# Altium PCB betrusted_dvt1b-dfm.PcbDoc (part 5 of 6) (continued)
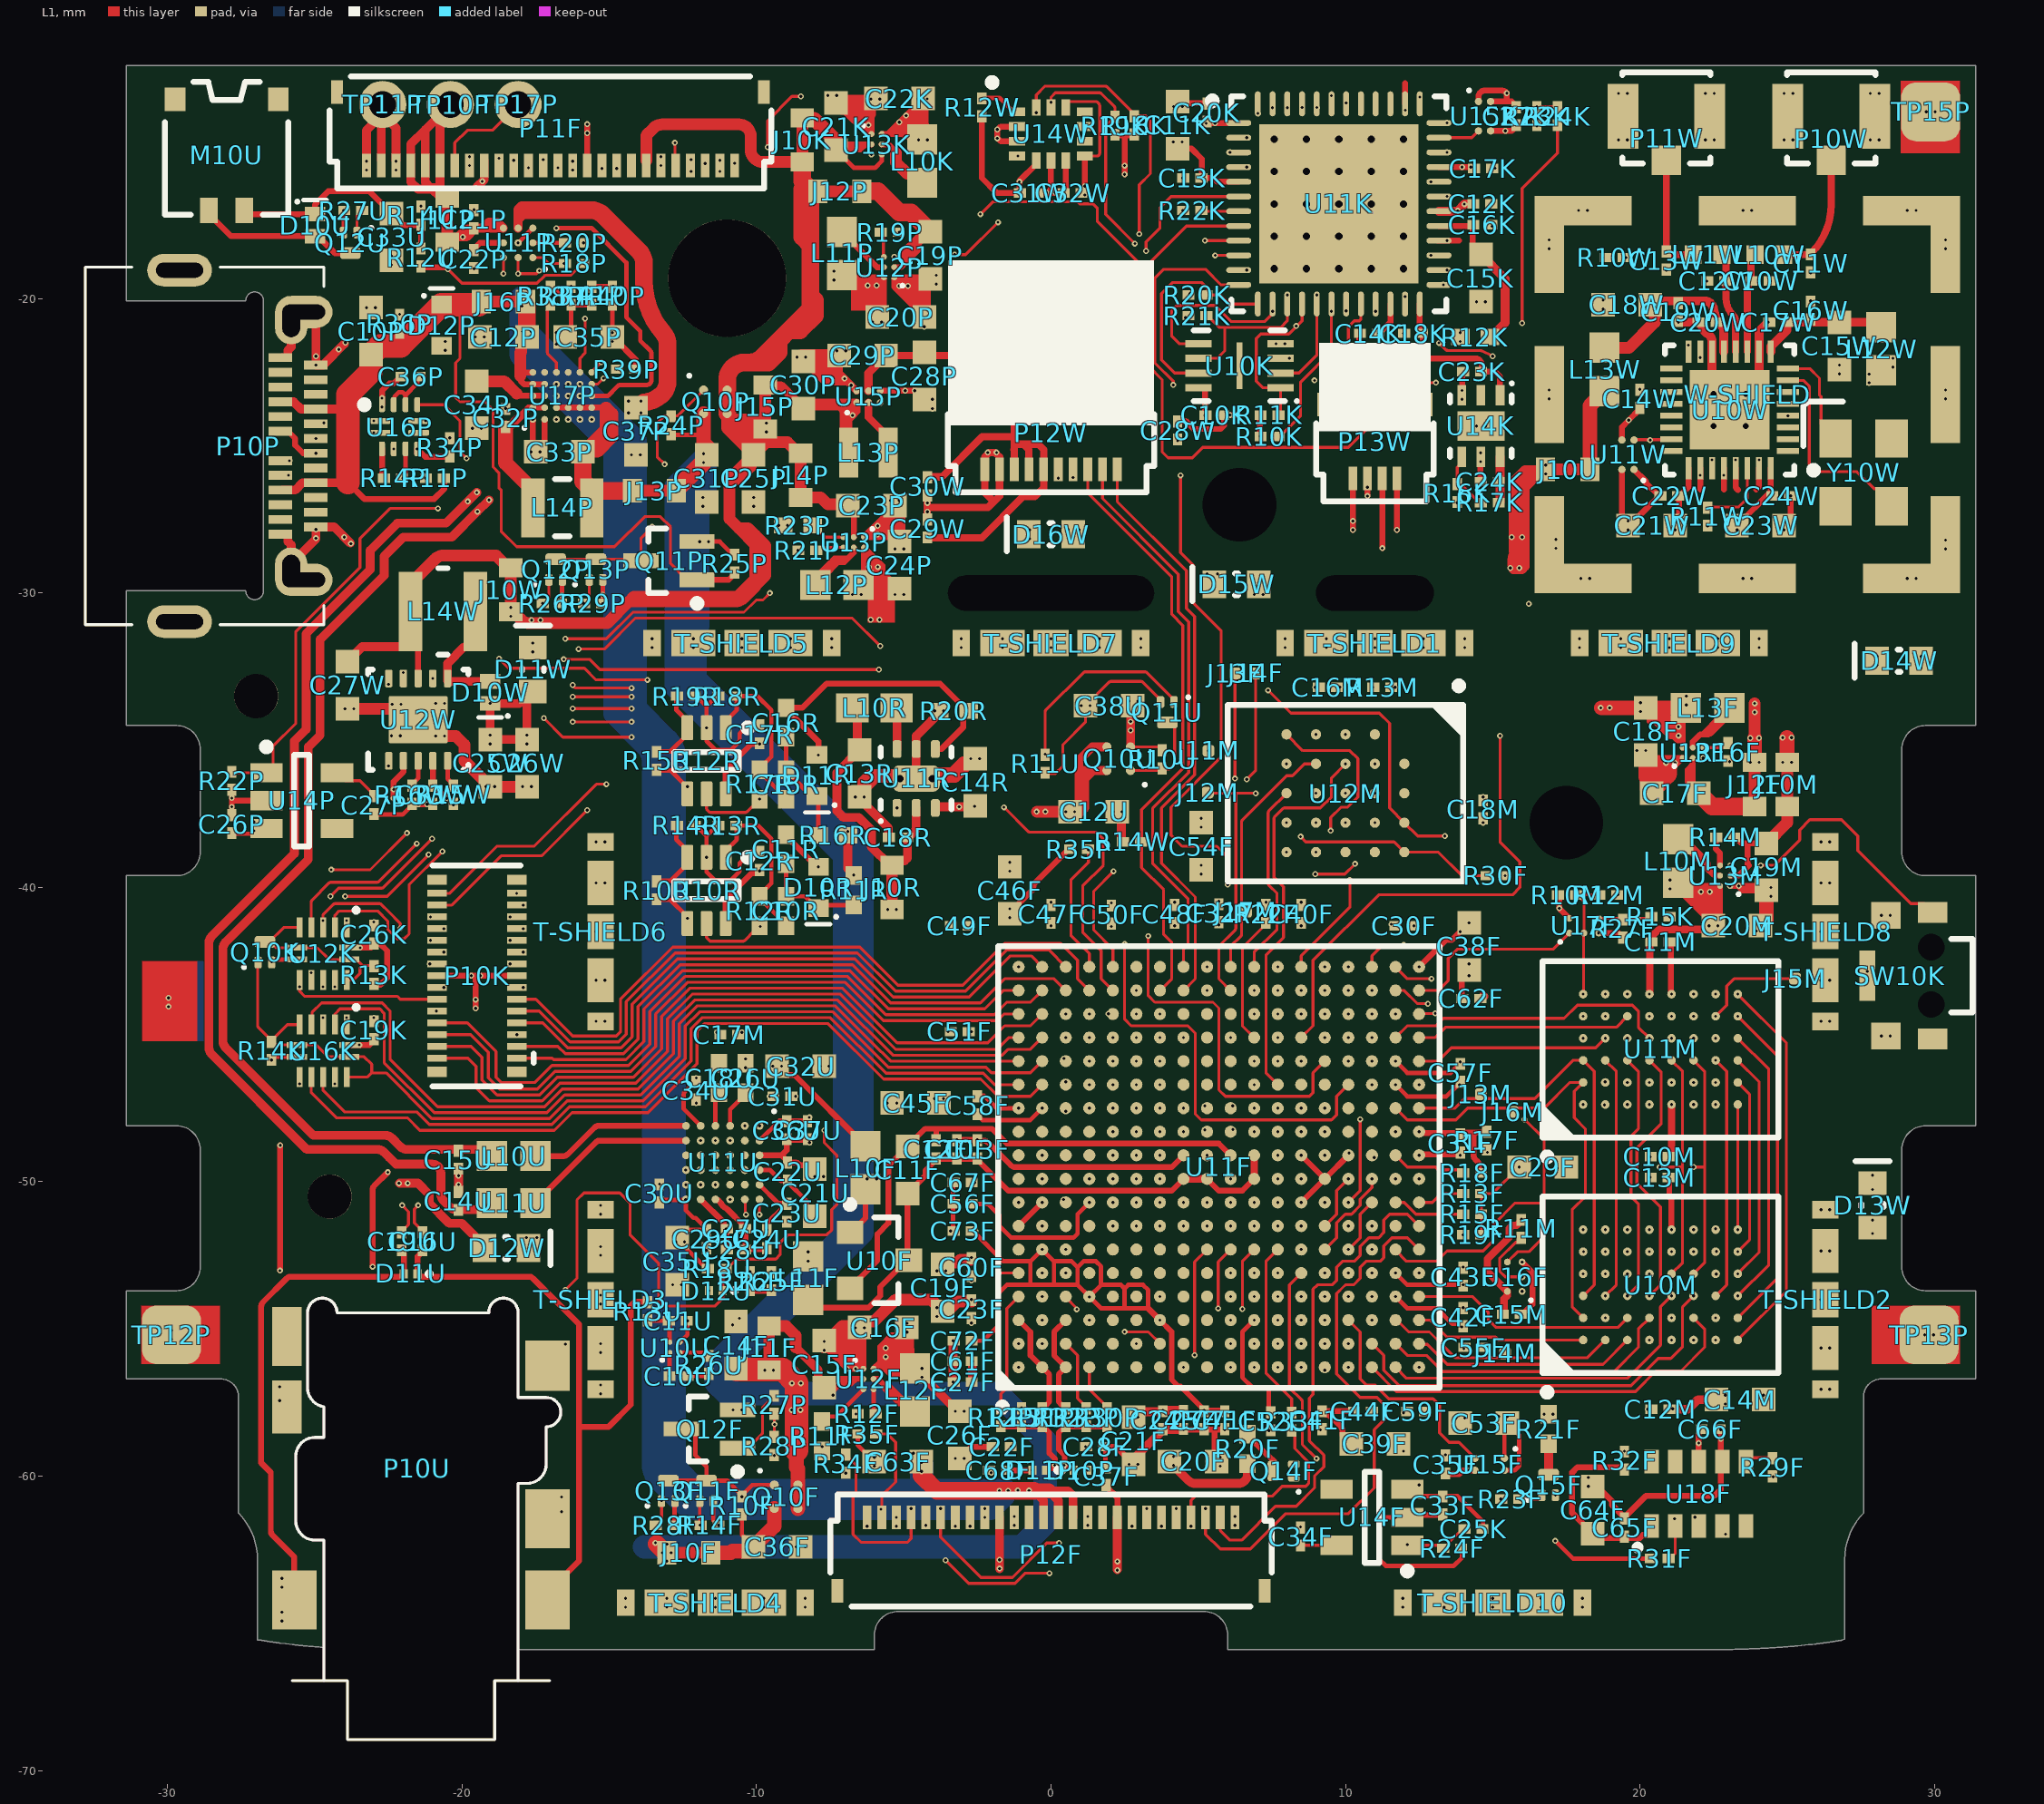
[diagram p0: L1 view]
## Nets (pads, with @x,y where several pads share a name; then routed paths per layer and width w, separated by ;. In a path a pad name is that pad's centre, name@x,y a point inside that pad or via, vN(x,y) a via of type N, cw(c..) or ccw(c..) an arc to the next point about the centre after c; other vN are vias at no path point) (continued)
  L2 w0.1: v1(10.1,-55.5) 10.596,-55.996 ccw(c10.666,-55.925) 10.666,-56.025 12.759,-56.025 cw(c12.759,-56.125) 12.829,-56.054 13.35,-56.575 15.006,-56.575 16.606,-54.975 18.475,-54.975 v1(18.825,-54.625)
SRAM_DM2: U11F.T5 U11M.A1 | length 10.1
  L2 w0.1: v2(18.075,-47.875) v1(18.075,-47.375)
  L7 w0.1: v2(10.9,-53.1) 11.217,-53.1 11.3,-53.017 11.3,-52.934 11.534,-52.7 12.791,-52.7 15.066,-50.425 15.875,-50.425 18.075,-48.225 v2(18.075,-47.875)
  other v1: 10.9,-53.1
SRAM_DM3: U11F.T13 U11M.B2 | length 8.6
  L2 w0.1: v2(18.471,-46.271) 18.807,-46.607 v1(18.821,-46.607)
  L7 w0.1: v2(10.9,-46.7) 11.3,-47.1 14.9,-47.1 15.729,-46.271 v2(18.471,-46.271)
  other v1: 10.9,-46.7
SRAM_OE_N: J16M.1 U10M.A2 U11F.U12 U11M.A2 | length 15.7
  L1 w0.1: U11F.U12@11.7,-47.5 12.1,-47.9 13.75,-47.9 14.15,-47.5 16.75,-47.5 17.625,-46.625 U11M.A2@18.075,-46.625 17.775,-46.925 17.775,-47.825 18.15,-48.2 18.15,-50.5 17.7,-50.95 17.7,-54.25 U10M.A2@18.075,-54.625
SRAM_WE_N: J15M.1 U10M.G5 U11F.K4 U11M.G5 | length 42.5
  L1 w0.1: v1(22.575,-44.375) 22.95,-44 22.95,-43.35 23.2,-43.1 J15M.1@25.275,-43.1
  L2 w0.1: v1@22.575,-52.375 22.85,-52.375 23.15,-52.075 ; v1(22.575,-44.375) 23.725,-45.525 23.725,-47.55 23.425,-47.85 23.425,-50.125 24.225,-50.925 24.225,-51.791 23.941,-52.075 23.15,-52.075 ; v1(22.603,-52.363) 22.862,-52.363 23.15,-52.075
  L7 w0.1: v1(6.1,-53.9) 5.5,-54.5 5.5,-57.4 5.9,-57.8 7.167,-57.8 7.267,-57.9 9.683,-57.9 10.083,-57.5 15.9,-57.5 16.295,-57.105 cw(c16.366,-57.176) 16.366,-57.076 21.721,-57.076 ccw(c21.721,-56.976) 21.792,-57.047 23.25,-55.588 23.25,-50.925 v2(23.75,-50.425)
  other v2: 6.1,-53.9
SRAM_ZZ_N: U11F.V17 U17F.A1 | length 6.3
  L1 w0.1: U11F.V17@12.5,-43.5 13.15,-43.5 13.487,-43.163 13.487,-42.413 13.8,-42.1 17.05,-42.1 U17F.A1@17.6,-41.55
SRAM_ZZ_N_1.8: R10M.2 R12M.1 U10M.A6 U11M.A6 U17F.B1 | length 12.8
  L1 w0.1: R10M.2@17.85,-40.25 R10M.2@17.875,-40.25 ; v1(18.075,-43.625) 18.088,-43.612 18.088,-41.562 U17F.B1@18.1,-41.55 18.1,-40.475 R10M.2@17.875,-40.25 ; R12M.1@18.6,-40.25 R10M.2@17.875,-40.25
  L2 w0.1: v1(18.075,-51.625) 17.675,-51.225 17.675,-45.15 18.136,-44.689 18.157,-44.689 18.375,-44.471 18.375,-43.925 v1(18.075,-43.625)
SW_0.95V: L12F.1 U12F.B2 | length 3.3
  L1 w0.2: U12F.B2@-6.025,-56.7 -5.875,-56.7 -5.65,-56.925 ; -5.65,-56.925 -5.65,-57.025 -5.15,-57.525 -4.91,-57.525 L12F.1@-4.625,-57.81 -4.625,-57.805 -5.505,-56.925 -5.65,-56.925
SW_1.2V: L10K.1 U13K.B2 | length 2.1
  L1 w0.2: U13K.B2@-5.75,-14.75 -5.608,-14.75 cw(c-5.608,-14.95) -5.466,-14.809 -5.251,-15.024
  L1 w0.4: -5.267,-15.04 -5.267,-15.368 -4.891,-15.745 -4.685,-15.745 -4.375,-16.055 L10K.1@-4.375,-16.06
SW_1.8V: L11P.1 U12P.B2 | length 1.9
  L1 w0.2: L11P.1@-7.1,-17.725 -7.1,-17.73 -5.905,-18.925 U12P.B2@-5.675,-18.925
SW_1.8V_F: L13F.1 U13F.B2 | length 3.1
  L1 w0.2: U13F.B2@21.8,-35.25 21.8,-35.05 22.05,-34.8 22.13,-34.8 ; L13F.1@22.914,-34.016 22.722,-34.207 22.13,-34.8 ; L13F.1@23.035,-33.9 22.975,-33.96 ccw(c23.116,-34.102) 22.916,-34.102 22.916,-34.171 cw(c22.716,-34.171) 22.857,-34.313 22.429,-34.741 cw(c22.287,-34.6) 22.287,-34.8 22.13,-34.8
SW_1.8V_SBY: L10M.1 U13M.B2 | length 3.5
  L1 w0.2: U13M.B2@22.725,-39.6 22.613,-39.6 cw(c22.613,-39.4) 22.471,-39.541 22.297,-39.367 ; 22.297,-39.367 22.297,-39.213 ccw(c22.097,-39.213) 22.239,-39.072 21.736,-38.568 ccw(c21.594,-38.709) 21.594,-38.509 21.527,-38.509 cw(c21.527,-38.309) 21.386,-38.451 L10M.1@21.3,-38.365 21.3,-38.37 21.442,-38.512 21.607,-38.677 22.154,-39.224 22.297,-39.367
SW_3.3V: L12P.1 U13P.B2 | length 3.8
  L1 w0.2: L12P.1@-7.7,-29.415 -7.7,-29.175 ; U13P.B2@-6.7,-28.45 -6.7,-28.625 -6.9,-28.825 ; -7.7,-29.175 -7.834,-29.309 ccw(c-7.693,-29.451) -7.893,-29.451 -7.893,-29.608 L12P.1@-8.01,-29.725 -8.005,-29.725 -7.89,-29.61 -7.698,-29.418 -7.23,-28.95 -7.025,-28.95 -6.9,-28.825 ; -7.7,-29.175 -7.35,-28.825 -6.9,-28.825
SYS_OFF: Q10P.1 Q11P.3 Q12P.3 Q13P.3 R24P.1 | length 10.1
  L1 w0.1: Q12P.3@-16.825,-28.85 Q13P.3@-15.455,-28.85 -13.975,-28.85 Q11P.3@-13.925,-28.9 -13.925,-28.125 v1(-13.544,-27.744) ; v1(-13.125,-25.625) -13.375,-25.375 -13.375,-24.225 -13.125,-23.975 -12.9,-23.975 -12.675,-23.975 Q10P.1@-11.8,-23.1
  L2 w0.1: v1(-13.544,-27.744) -13.544,-26.044 v1(-13.125,-25.625)
SYS_ON: Q12P.1 R26P.2 U11K.47 | length 38.1
  L1 w0.1: R26P.2@-17.28,-30.35 -17.255,-30.35 -17.055,-30.15 Q12P.1@-17.055,-29.55 ; v1(-16.5,-31.55) -15.1,-31.55 -14.2,-30.65 -10.43,-30.65 -10.013,-30.233 -9.783,-30.233 v1(-9.55,-30)
  L2 w0.1: v1(-17.275,-30.35) -16.53,-31.095 cw(c-16.6,-31.166) -16.5,-31.166 ; v1(-16.5,-31.55) -16.5,-31.166 ; v1(-9.55,-30) -8.638,-29.088 -8.296,-29.088 -7.325,-28.117 -7.325,-25.667 -5.45,-23.792 -5.45,-20.725 -4.575,-19.85 -4.575,-18.325 -1.85,-15.6 1.55,-15.6 2.55,-14.6 2.941,-14.6 3.466,-14.075 4.75,-14.075 5.375,-13.45 7.225,-13.45 7.287,-13.512 v1(7.522,-13.512)
T_OFF: Q10F.1 Q11F.3 Q12F.3 Q13F.3 R10F.1 R29F.2 | length 50.1
  L1 w0.1: v1(-3.579,-62.861) -2.799,-63.641 -1.226,-63.641 -0.885,-63.3 v1(-0.05,-63.3)
  L1 w0.15: Q13F.3@-13,-60.15 Q11F.3@-11.7,-60.15 ; Q12F.3@-12.55,-58.4 -12.25,-58.4 -12.075,-58.575 -12.075,-59.3 -11.7,-59.675 Q11F.3@-11.7,-60.15 ; Q10F.1@-9.4,-60.3 -10.15,-60.3 -10.5,-60.65 -11,-60.15 Q11F.3@-11.7,-60.15
  L2 w0.1: v1(-10.5,-60.7) -8.425,-60.7 -6.875,-62.25 -4.15,-62.25 -3.6,-61.7 -3.6,-61.696 -3.354,-61.45 -2.646,-61.45 -2.5,-61.596 -2.5,-61.804 -3.557,-62.861 v1(-3.579,-62.861) ; v1(-0.05,-63.3) 0.8,-63.3 2.1,-62 2.1,-60.9 2.675,-60.325 7.625,-60.325 8.2,-60.9 9,-60.9 10.713,-62.613 ccw(c10.783,-62.542) 10.783,-62.642 23.017,-62.642 ccw(c23.017,-62.542) 23.087,-62.613 24.525,-61.175 v1(24.525,-60.025)
T_TO_U_ON: Q13P.1 R29P.1 U11F.E18 | length 29.9
  L1 w0.1: v1(-16.05,-31.9) -15.167,-31.9 -14.117,-30.85 -6.75,-30.85 v1(-5.8,-31.8) ; R29P.1@-15.88,-30.35 v1(-15.875,-30.35) -15.855,-30.35 -15.685,-30.18 Q13P.1@-15.685,-29.55 ; U11F.E18@2.1,-42.7 2.1,-42.1 1.45,-41.45 1.45,-40.125 v1(2.125,-39.45)
  L2 w0.1: v1(-16.05,-31.9) -15.875,-31.725 v1(-15.875,-30.35) ; v1(-5.8,-31.8) -4.325,-33.275 -3.175,-33.275 -0.375,-36.075 1.075,-36.075 1.65,-36.65 1.65,-37.825 2.125,-38.3 v1(2.125,-39.45)
U_TO_T_ON: Q13F.1 R28F.2 U11K.46 | length 87.9
  L1 w0.1: v1(-24.45,-39.4) -23.125,-39.4 v1(-21.875,-38.15) ; v1(-17.225,-34.25) -16.58,-34.895 v1(-14.249,-34.895) ; R28F.2@-13.45,-61.675 -13.425,-61.675 -13.23,-61.48 Q13F.1@-13.23,-60.85
  L2 w0.1: v1@-24.446,-39.404 -25.625,-40.583 -25.625,-42.1 -25.85,-42.325 -25.85,-47.2 -26.85,-48.2 -26.85,-49.15 -26.55,-49.45 -25.6,-49.45 -25.25,-49.1 -23.65,-49.1 -23.175,-49.575 -23.175,-50.925 -22.65,-51.45 -16.394,-51.45 cw(c-16.394,-51.55) -16.323,-51.48 -15.982,-51.821 ccw(c-15.912,-51.75) -15.912,-51.85 -15.025,-51.85 -12.9,-53.975 -12.9,-55.825 -13.375,-56.3 -13.375,-57.05 -12.65,-57.775 -12.65,-60.248 v1(-13.229,-60.827) ; v1(-21.875,-38.15) -21.325,-37.6 -18.2,-37.6 -17.225,-36.625 v1(-17.225,-34.25) ; v1(-14.249,-34.895) -13.555,-34.895 -13.35,-35.1 -11.175,-35.1 -10.35,-34.275 -8.717,-34.275 ccw(c-8.717,-34.175) -8.646,-34.245 -4.704,-30.304 ccw(c-4.775,-30.233) -4.675,-30.233 -4.675,-26.375 -2.275,-23.975 -2.275,-18.525 -1.9,-18.15 1.509,-18.15 3.259,-16.4 6.15,-16.4 7.35,-15.2 7.775,-15.2 8.027,-14.948 v1(8.027,-13.507)
UP5K_CSN: P12F.5 R11K.2 U10K.1 U11K.16 | length 84.7
  L1 w0.1: R11K.2@7.75,-23.95 7.795,-23.905 U10K.1@7.795,-23.025 7.2,-23.025 6.975,-22.8 6.975,-21.35 7.125,-21.2 8.075,-21.2 8.526,-20.749 U11K.16@8.526,-20.177
  L2 w0.1: v1(4.25,-61.1) 4.25,-61.65 5,-62.4 9.475,-62.4 10.15,-63.075 23.508,-63.075 25.325,-61.258 25.325,-58.35 25.425,-58.25 25.425,-37.184 26.1,-36.509 26.1,-29.85 25.1,-28.85 19.159,-28.85 18.554,-28.245 cw(c18.625,-28.174) 18.525,-28.174 18.525,-25.849 ccw(c18.425,-25.849) 18.496,-25.779 17.217,-24.5 16.542,-24.5 14.351,-22.309 ccw(c14.281,-22.38) 14.281,-22.28 12.08,-22.28 11.55,-21.75 11.55,-20.525 11.104,-20.079 9.404,-20.079 8.559,-20.925 v1(8.325,-20.925)
UP5K_DIO2: R10K.1 U10K.3 U11K.18 | length 7.9
  L1 w0.1: R10K.1@7.75,-24.675 7.775,-24.675 8.475,-23.975 8.475,-22.825 9.526,-21.774 U11K.18@9.526,-20.177
  L2 w0.1: v1(8.1,-22.025) 8.85,-22.025 9.525,-21.35 v1(9.525,-20.425)
UP5K_DIO3: R20K.1 U10K.7 U11K.13 | length 7.6
  L1 w0.1: U10K.7@5.005,-22.525 4.2,-22.525 3.75,-22.075 3.75,-19.825 4.125,-19.45 5.125,-19.45 5.3,-19.625 5.3,-19.875 5.716,-19.875 cw(c5.716,-19.975) 5.788,-19.905 6.031,-20.148 ccw(c6.102,-20.077) 6.102,-20.177 U11K.13@7.026,-20.177
UP5K_KEYCOL0: P12F.19 U11K.48 U12K.9 | length 97.4
  L1 w0.1: v1(-24.475,-40.3) -24.2,-40.025 -22.739,-40.025 ccw(c-22.739,-39.925) -22.668,-39.995 v1(-21.021,-38.349) ; v1(-16.25,-33.525) v1(-14.25,-33.525)
  L2 w0.1: v1(-24.475,-40.3) -25.125,-40.95 v1(-25.125,-42.9) -25.275,-43.05 -25.275,-47.144 -25.606,-47.475 -25.842,-47.475 -26.65,-48.283 -26.65,-49.067 -26.467,-49.25 -25.683,-49.25 -25.333,-48.9 -23.567,-48.9 -22.975,-49.492 -22.975,-50.842 -22.567,-51.25 -16.266,-51.25 -16.237,-51.28 -16.195,-51.28 -15.879,-51.596 ccw(c-15.809,-51.525) -15.809,-51.625 -14.525,-51.625 -13.3,-52.85 -12.733,-52.85 -12.273,-53.311 -12.273,-54.017 -11.898,-54.392 -11.898,-55.208 -12.393,-55.703 -12.393,-61.853 -11.945,-62.3 -10.941,-62.3 ccw(c-10.941,-62.2) -10.871,-62.271 -9.95,-61.35 -8.425,-61.35 -7.125,-62.65 -3.825,-62.65 -3.7,-62.525 -3.575,-62.525 v1(-2.75,-61.7) ; v1(-21.021,-38.349) -20.848,-38.175 -18.1,-38.175 -16.779,-36.854 ccw(c-16.85,-36.784) -16.75,-36.784 -16.75,-34.066 cw(c-16.65,-34.066) -16.721,-33.996 v1(-16.25,-33.525) ; v1(-14.25,-33.525) -10.525,-33.525 -9.311,-32.311 -9.311,-31.468 -6.65,-28.808 -6.65,-26.084 -5.041,-24.475 -3.716,-24.475 -2.979,-23.739 ccw(c-3.05,-23.668) -2.95,-23.668 -2.95,-18.141 cw(c-2.85,-18.141) -2.921,-18.071 -1.95,-17.1 1.4,-17.1 1.725,-16.775 1.725,-15.708 2.633,-14.8 3.024,-14.8 3.549,-14.275 4.775,-14.275 5,-14.5 5.575,-14.5 6.372,-13.703 v1(7.028,-13.703)
UP5K_KEYCOL1: P12F.20 U11K.3 U12K.10 | length 94.1
  L1 w0.1: v1(-23.975,-40.3) -22.547,-40.3 -21.142,-38.895 v1(-21.142,-38.888) ; v1(-16.25,-33.925) v1(-14.25,-33.925)
  L2 w0.1: v1(-23.975,-40.3) -24.427,-40.752 -24.427,-41.347 -24.427,-43.035 cw(c-24.527,-43.035) -24.456,-43.106 v1(-24.725,-43.375) -24.725,-43.925 -24.475,-44.175 -24.475,-44.837 -24.675,-45.037 -24.675,-46.9 -25.45,-47.675 -25.759,-47.675 -26.45,-48.366 -26.45,-48.984 -26.384,-49.05 -25.766,-49.05 -25.416,-48.7 -23.484,-48.7 -22.775,-49.409 -22.775,-50.75 -22.475,-51.05 -16.015,-51.05 -15.985,-51.08 -15.944,-51.08 -15.628,-51.396 ccw(c-15.557,-51.325) -15.557,-51.425 -14.3,-51.425 -13.1,-52.625 -12.625,-52.625 -12.05,-53.2 -12.05,-53.925 -11.675,-54.3 -11.675,-55.3 -12.17,-55.795 -12.17,-61.793 -11.863,-62.1 -11.025,-62.1 -10.075,-61.15 -8.342,-61.15 -7.042,-62.45 -4,-62.45 v1(-3.25,-61.7) ; v1(-21.142,-38.888) -20.729,-38.475 -18.108,-38.475 -16.579,-36.946 ccw(c-16.65,-36.876) -16.55,-36.876 -16.55,-34.266 cw(c-16.45,-34.266) -16.521,-34.196 v1(-16.25,-33.925) ; v1(-14.25,-33.925) -13.3,-33.925 -13.175,-33.8 -10.3,-33.8 -8.2,-31.7 -8.2,-30.641 -6.45,-28.891 -6.45,-26.167 -4.958,-24.675 -3.633,-24.675 -2.779,-23.821 ccw(c-2.85,-23.751) -2.75,-23.751 -2.75,-18.224 cw(c-2.65,-18.224) -2.721,-18.154 -2.267,-17.7 1.394,-17.7 3.794,-15.3 5.8,-15.3 v1(6.075,-15.025)
UP5K_KEYROW0: U11K.4 U12K.2 | length 52
  L1 w0.1: U12K.2@-24.325,-41.36 -24.325,-40.95 -24.175,-40.8 -22.875,-40.8 -22.525,-41.15 -22.525,-41.425 -22.2,-41.75 -21.975,-41.75 -21.8,-41.575 -21.8,-39.9 v1(-20.675,-38.775) ; v1(-16.25,-34.375) v1(-14.25,-34.375)
  L2 w0.1: v1(-20.675,-38.775) -18.125,-38.775 -16.279,-36.929 ccw(c-16.35,-36.859) -16.25,-36.859 v1(-16.25,-34.375) ; v1(-14.25,-34.375) -13.3,-34.375 -12.925,-34 -9.975,-34 -7.95,-31.975 -7.95,-31.4 -7.4,-30.85 -6.7,-30.85 -5.6,-29.75 -5.6,-28.225 -5.4,-28.025 -5.4,-27.7 -6.25,-26.85 -6.25,-26.25 -4.875,-24.875 -3.55,-24.875 -2.579,-23.904 ccw(c-2.65,-23.834) -2.55,-23.834 -2.55,-18.441 cw(c-2.45,-18.441) -2.521,-18.371 -2.075,-17.925 1.451,-17.925 3.876,-15.5 5.454,-15.5 5.479,-15.525 v1(6.65,-15.525)
UP5K_KEYROW1: U11K.2 U12K.4 | length 50.1
  L1 w0.1: U12K.4@-25.125,-41.36 -25.125,-40.491 cw(c-25.025,-40.491) -25.096,-40.421 -24.529,-39.854 cw(c-24.459,-39.925) -24.46,-39.825 ; -24.459,-39.825 -22.898,-39.825 ccw(c-22.898,-39.725) -22.827,-39.795 v1(-21.542,-38.511) ; v1(-16.25,-33.125) -16.15,-33.225 v1(-14.25,-33.225) ; v1(-3.275,-18.5) -2.9,-18.5 v1(-1.8,-17.4)
  L2 w0.1: v1(-21.542,-38.511) -20.931,-37.9 -18.2,-37.9 -17.004,-36.704 ccw(c-17.075,-36.634) -16.975,-36.634 -16.975,-33.891 cw(c-16.875,-33.891) -16.946,-33.821 v1(-16.25,-33.125) ; v1(-14.25,-33.225) -10.942,-33.225 -9.543,-31.826 -9.543,-31.418 -6.875,-28.75 -6.875,-25.991 -5.134,-24.25 -3.809,-24.25 -3.275,-23.716 v1(-3.275,-18.5) ; v1(-1.8,-17.4) 1.411,-17.4 3.711,-15.1 5.275,-15.1 5.85,-14.525 v1(6.65,-14.525)
UP5K_MISO: P12F.7 U10K.2 U11K.17 | length 83.2
  L1 w0.1: U10K.2@7.795,-22.525 8.425,-22.525 9.026,-21.924 U11K.17@9.026,-20.177 ; v1(13.175,-21.5) 13.403,-21.728 ccw(c13.473,-21.657) 13.473,-21.757 14.573,-21.757 cw(c14.573,-21.857) 14.616,-21.767 v1(15,-21.95)
  L2 w0.1: v1(3.25,-61.1) 3.25,-61.917 4.158,-62.825 9.334,-62.825 9.984,-63.475 23.674,-63.475 25.725,-61.424 25.725,-58.516 25.825,-58.416 25.825,-37.35 26.5,-36.675 26.5,-29.684 25.266,-28.45 19.325,-28.45 18.954,-28.079 cw(c19.025,-28.009) 18.925,-28.009 18.925,-25.684 ccw(c18.825,-25.684) 18.896,-25.613 17.383,-24.1 16.708,-24.1 15,-22.392 v1(15,-21.95) ; v1(9.025,-19.875) 11.183,-19.875 12.083,-20.775 12.45,-20.775 v1(13.175,-21.5)
UP5K_MOSI: P12F.6 U10K.5 U11K.14 | length 86.6
  L1 w0.1: U10K.5@5.005,-21.525 4.35,-21.525 4.1,-21.275 4.1,-20.4 4.275,-20.225 5.575,-20.225 6.125,-20.775 7.253,-20.775 7.526,-20.502 U11K.14@7.526,-20.177
  L2 w0.1: v1(3.75,-61.7) 4.65,-62.6 9.392,-62.6 10.067,-63.275 23.591,-63.275 25.525,-61.341 25.525,-58.433 25.625,-58.333 25.625,-37.267 26.3,-36.592 26.3,-29.767 25.183,-28.65 19.242,-28.65 18.754,-28.162 cw(c18.825,-28.091) 18.725,-28.091 18.725,-25.766 ccw(c18.625,-25.766) 18.696,-25.696 17.3,-24.3 16.625,-24.3 14.325,-22 14.325,-21.125 13.994,-20.794 12.819,-20.794 12.575,-20.55 12.141,-20.55 11.212,-19.621 8.879,-19.621 8.742,-19.758 8.742,-20.158 8.475,-20.425 v1(7.525,-20.425)
UP5K_PLL: C15K.1 C16K.1 R12K.1 U11K.29 | length 5.7
  L1 w0.2: U11K.29@13.176,-17.527 14.273,-17.527 14.322,-17.479 14.322,-18.222 C15K.1@14.6,-18.5
  L1 w0.3: C15K.1@14.6,-18.5 15.425,-19.325 15.425,-20.815 14.94,-21.3 R12K.1@14.9,-21.3
UP5K_RES_CT: C27P.1 U14P.5 | length 1.6
  L1 w0.1: U14P.5@-24.25,-36.1 -23.975,-36.375 -23.475,-36.375 -23,-36.85 C27P.1@-23,-36.875
UP5K_SCK: P12F.8 R21K.2 U10K.6 U11K.15 | length 89.6
  L1 w0.1: U10K.6@5.005,-22.025 5.65,-22.025 5.899,-21.776 5.899,-20.975 ; R21K.2@5.3,-20.575 5.325,-20.575 5.725,-20.975 5.899,-20.975 ; U11K.15@8.026,-20.177 8.026,-20.749 7.8,-20.975 5.899,-20.975
  L2 w0.1: v1(2.75,-61.7) 4.1,-63.05 9.276,-63.05 9.901,-63.675 23.756,-63.675 25.925,-61.506 25.925,-58.75 26.825,-57.85 26.825,-50.65 26.25,-50.075 26.25,-45.725 26.75,-45.225 26.75,-29.581 25.369,-28.2 19.429,-28.2 19.204,-27.976 cw(c19.275,-27.905) 19.175,-27.905 19.175,-25.58 ccw(c19.075,-25.58) 19.146,-25.509 17.486,-23.85 16.811,-23.85 15.25,-22.289 15.25,-21.375 14.1,-20.225 13.25,-20.225 12.7,-19.675 12.7,-19.136 12.141,-18.577 8.348,-18.577 8.025,-18.9 v1(8.025,-19.875)
USB_DFP_N: R14P.1 U16P.3 | length 1
  L1 w0.2: U16P.3@-22.725,-25.1 -22.725,-26.05 R14P.1@-22.675,-26.1
USB_N: R31P.2 U11F.A3 U11F.B1 | length 3.5
  L1 w0.187: U11F.A3@-1.1,-54.7 -0.7,-55.1 -0.7,-55.9 U11F.B1@-0.3,-56.3 -0.057,-56.543 -0.057,-56.83 -0.057,-57.474 -0.167,-57.583 -0.233,-57.583 -0.3,-57.65 R31P.2@-0.3,-57.675
USB_P: R32P.2 U11F.C1 U11F.C3 | length 3.5
  L1 w0.187: R32P.2@0.5,-57.675 0.5,-57.65 0.433,-57.583 0.367,-57.583 0.257,-57.474 0.257,-56.961 0.257,-56.543 U11F.C1@0.5,-56.3 0.102,-55.901 0.102,-55.099 U11F.C3@0.5,-54.7
USBC_CC1: P10P.A5 U16P.1 | length 1.7
  L2 w0.1: v1(-24.698,-24.216) -23.659,-24.216 -23.593,-24.15 v1(-23,-24.15)
USBC_CC2: P10P.B5 U16P.2 | length 5.1
  L2 w0.1: v1(-25.9,-26) -26.121,-25.779 cw(c-26.05,-25.709) -26.15,-25.709 -26.15,-24.396 -25.954,-24.2 -25.35,-24.2 -25.075,-24.475 -24.091,-24.475 -24.016,-24.55 v1(-23,-24.55)
USBC_N: D11P.2 P10P.A7 P10P.B7 R12P.1 R15P.1 R31P.1 | length 74
  L1 w0.187: P10P.B7@-26.157,-24.5 -25.92,-24.5 -25.675,-24.745 -25.675,-24.975 -25.4,-25.25 v1(-24.97,-25.25) ; R12P.1@-1.7,-58.325 R31P.1@-0.3,-58.325 ; R31P.1@-0.233,-58.417 -0.167,-58.417 -0.057,-58.526 -0.057,-59.221 0.143,-59.421 v1@0.143,-59.628 ; D11P.2@-0.165,-59.8 -0.165,-59.79 -0.118,-59.744 0.033,-59.744 v1@0.137,-59.64
  L2 w0.102: v1(-24.97,-25.25) -24.97,-25.244 -25.098,-25.116 -25.184,-25.116 -25.291,-25.116 -25.4,-25.225 -25.4,-25.75 -23.146,-28.004 -23.146,-32.151 cw(c-23.248,-32.151) -23.176,-32.223 -24.332,-33.38 ccw(c-24.26,-33.452) -24.362,-33.452 -24.362,-36.619 cw(c-24.464,-36.619) -24.392,-36.691 -27.013,-39.312 -27.438,-39.737 -27.438,-51.262 -26.525,-52.175 -18.117,-52.175 cw(c-18.117,-52.277) -18.045,-52.205 -17.28,-52.97 ccw(c-17.208,-52.898) -17.208,-53 -15.108,-53 -14.171,-53.937 -14.171,-62.362 ccw(c-14.068,-62.362) -14.141,-62.434 -13.215,-63.36 ccw(c-13.143,-63.288) -13.143,-63.39 -3.376,-63.39 ccw(c-3.376,-63.288) -3.303,-63.36 -2.04,-62.096 cw(c-1.967,-62.169) -1.968,-62.066 ; -1.967,-62.066 -0.909,-62.066 ccw(c-0.909,-61.964) -0.837,-62.037 0.143,-61.057 ccw(c0.071,-60.985) 0.173,-60.985 0.173,-59.881 0.173,-59.702 0.125,-59.654 v1(0.125,-59.628)
USBC_P: D10P.2 P10P.A6 P10P.B6 R30P.1 R32P.1 R33P.1 | length 73.8
  L1 w0.187: R32P.1@0.433,-58.417 0.367,-58.417 0.257,-58.526 0.257,-59.091 0.457,-59.291 v1@0.457,-59.628 ; v1@0.457,-59.634 0.567,-59.744 0.718,-59.744 0.765,-59.79 D10P.2@0.765,-59.8 ; R32P.1@0.5,-58.325 1.2,-58.325 R30P.1@1.9,-58.325
  L2 w0.102: v1(-25.865,-25.503) -25.85,-25.488 -25.629,-25.488 ; v1(-24.97,-24.75) -24.97,-24.757 -25.1,-24.886 -25.386,-24.886 -25.629,-25.13 -25.629,-25.488 ; -1.873,-62.296 ccw(c-1.872,-62.398) -1.945,-62.326 -3.208,-63.589 cw(c-3.281,-63.517) -3.281,-63.619 -13.238,-63.619 cw(c-13.238,-63.517) -13.31,-63.589 -14.37,-62.529 cw(c-14.298,-62.457) -14.4,-62.457 -14.4,-54.032 -15.203,-53.229 -17.303,-53.229 cw(c-17.303,-53.127) -17.375,-53.199 -18.14,-52.435 ccw(c-18.212,-52.507) -18.212,-52.404 -26.62,-52.404 -27.667,-51.357 -27.667,-39.642 -27.256,-39.231 -24.621,-36.596 ccw(c-24.694,-36.524) -24.591,-36.524 -24.591,-33.357 cw(c-24.489,-33.357) -24.562,-33.285 -23.405,-32.128 ccw(c-23.477,-32.056) -23.375,-32.056 -23.375,-28.099 -25.629,-25.845 -25.629,-25.488 ; -1.872,-62.296 -0.814,-62.296 ccw(c-0.814,-62.193) -0.742,-62.266 0.305,-61.219 0.372,-61.152 ccw(c0.3,-61.08) 0.402,-61.08 0.402,-59.976 0.402,-59.702 0.45,-59.654 v1(0.45,-59.628)
USBDN_PD: R12P.2 U11F.A4 | length 4
  L1 w0.102: R12P.2@-1.7,-57.675 -1.7,-57.2 -1.5,-57 -1.5,-54.3 U11F.A4@-1.1,-53.9
USBDN_PU: R15P.2 U11F.B2 | length 2.5
  L2 w0.102: v1(-1,-57.675) -1,-57 -0.575,-56.575 -0.575,-55.775 v1(-0.3,-55.5)
USBDP_PD: R33P.2 U11F.C2 | length 2.5
  L1 w0.102: U11F.C2@0.5,-55.5 0.9,-55.9 0.9,-57.35 1.2,-57.65 R33P.2@1.2,-57.675
USBDP_PU: R30P.2 U11F.D1 | length 1.6
  L1 w0.102: U11F.D1@1.3,-56.3 1.3,-57.05 1.9,-57.65 R30P.2@1.9,-57.675
VAVA: C14R.1 R11R.2 R16R.2 U11R.3 | length 9.2
  L1 w0.3: v1(-6.9,-38.1) -6.9,-39.36 -6.7,-39.56 v1(-6.7,-39.58) R11R.2@-6.7,-39.6 ; U11R.3@-3.93,-37.3 -3.93,-37.263 v1(-3.116,-37.263) -2.613,-37.263 v1(-2.594,-37.244) C14R.1@-2.575,-37.225
  L2 w0.3: v1(-6.9,-38.1) -6.9,-38.25 -6.375,-38.775 ; v1(-6.7,-39.58) -6.375,-39.255 -6.375,-38.775 ; v1(-2.594,-37.244) -3.869,-37.244 -5.4,-38.775 -6.375,-38.775
VAVA_FBK: C11R.1 C16R.1 D10R.1 D11R.1 R20R.2 U11R.4 | length 16.3
  L1 w0.2: C11R.1@-9,-38.2 -8.825,-38.375 -8.825,-38.425 -7.95,-39.3 v1(-7.9,-39.3) ; v1(-7.9,-35.5) -7.9,-35.04 -9,-33.94 C16R.1@-9,-33.9 -8.45,-33.9 -7.625,-33.075 -3.765,-33.075 -2.84,-34 R20R.2@-2.8,-34 -2.975,-34.175 -2.975,-34.55 -3.725,-35.3 U11R.4@-3.93,-35.3
  L2 w0.2: v1(-7.9,-39.3) v1(-7.9,-35.5)
VAVA_SW: L10R.2 U11R.6 | length 1.4
  L1 w0.3: L10R.2@-5.25,-33.9 -5.23,-33.92 U11R.6@-5.23,-35.3
VBAT: C37P.1 C66F.1 U11P.C2 U17P.C1 U17P.D1 U17P.E1 U17P.F1 U18F.8 | length 90.2
  L1 w0.2: U18F.8@22,-59.5 v1(22,-58.877) 21.998,-58.875 v1(21.998,-58.448) 21.998,-58.458 22,-58.46 22.06,-58.4 C66F.1@22.075,-58.4
  L1 w0.3: U11P.C2@-18.1,-17.6 cw(c-17.803,-17.558) -18.103,-17.558 -18.103,-17.315 ; -17.989,-16.845 -18.103,-16.959 -18.103,-17.315 ; -17.903,-16.991 -18.015,-17.103 ccw(c-17.803,-17.315) -18.103,-17.315 ; -17.5,-16.991 -17.779,-16.991 -18.103,-17.315
  L1 w0.6: -17.903,-16.991 -17.779,-16.991 -15.633,-16.991 cw(c-15.633,-17.591) -15.208,-17.167 -14.001,-18.374 cw(c-14.425,-18.799) -13.825,-18.799 -13.825,-19.389 -13.825,-19.391 ccw(c-11.094,-19.391) -13.169,-21.167 cw(c-13.625,-21.557) -13.025,-21.559 -13.025,-22.81 cw(c-13.625,-22.812) -13.241,-23.273 cw(c-13.979,-22.388) C37P.1@-13.828,-23.53 ; C37P.1@-14.1,-23.7 C37P.1@-14.049,-23.7
  L2 w0.3: v2(12.375,-24.3) 12.925,-24.85 15.125,-24.85 17.7,-27.425 17.7,-28.775 17.575,-28.9 17.575,-29.8 18.2,-30.425 22.775,-30.425 23.35,-31 23.35,-32.375 24.46,-33.485 24.46,-39.266 cw(c24.16,-39.266) 24.372,-39.478 23.925,-39.925 23.925,-40.45 24.625,-41.15 24.625,-54.775 cw(c24.325,-54.775) 24.537,-54.988 21.998,-57.527 v1(21.998,-58.448) 21.998,-58.875 v1(22,-58.877)
  L2 w0.5: v1(-16.8,-24.1) v1(-16.4,-24.1) v1(-16,-24.1) v1(-15.6,-24.1) -14.875,-24.1 -14.45,-23.675 v2@-13.95,-23.675
  L7 w0.3: v2(-14.15,-23.65) -12.524,-23.65 cw(c-12.524,-23.95) -12.311,-23.739 -10.863,-25.187 ccw(c-10.651,-24.975) -10.651,-25.275 -3.574,-25.275 ccw(c-3.574,-24.975) -3.362,-25.187 -1.438,-23.263 cw(c-1.226,-23.475) -1.226,-23.175 8.575,-23.175 9.7,-24.3 v2(12.375,-24.3)
  other v1: -14.35,-23.875 -13.925,-23.875 -14.35,-23.475 -13.925,-23.475
VBL: C25W.1 C26W.1 D10W.2 D11W.1 P13W.1 P13W.2 U12W.7 | length 44.2
  L1 w0.2: v1(10.25,-27.85) v1(10.25,-27.55) P13W.1@10.25,-26.1 ; v1(10.75,-26.702) P13W.2@10.75,-26.425
  L1 w0.3: v2(-19.05,-34.975) v1(-19.05,-34.825) v1(-19.05,-33.75) -18.075,-33.75 -17.675,-33.35 D11W.1@-17.6,-33.35 -17.8,-33.55 v1(-17.8,-34.825) v2(-17.8,-34.975) v2(-19.05,-34.975)
  L2 w0.15: v1(-20.996,-32.9) -19.9,-32.9 v1(-19.05,-33.75)
  L7 w0.3: v2(-19.05,-34.975) -16.174,-34.975 ccw(c-16.174,-34.675) -15.962,-34.887 -13.563,-32.488 cw(c-13.351,-32.7) -13.351,-32.4 -4.85,-32.4 -3.575,-31.125 3.75,-31.125 4.475,-30.4 4.475,-29.625 5.15,-28.95 7.8,-28.95 9.05,-27.7 v2(10.25,-27.7) 10.25,-27.053 v2@10.755,-26.549
  other v1: -19.05,-35.125 -17.8,-35.125 10.75,-26.402
  other v2: 10.75,-26.552
VBUS: C10P.1 C12P.1 C63F.1 D12P.2 J16P.1 P10P.A4 P10P.A9 P10P.B4 P10P.B9 P12F.12 P12F.13 P12F.14 Q11P.1 Q12F.1 R11P.1 R25P.1 R27P.2 R36P.2 U17P.A4 U17P.A5 U17P.B4 | length 171.8
  L1 w0.1: -20.05,-20.2 -20.075,-20.225 -20.075,-22.025 -20.225,-22.175 -20.225,-23.35 -20.075,-23.5 -19.225,-23.5 -18.95,-23.775 -18.95,-25.716 -18.752,-25.913 -18.752,-26.423 -18.675,-26.5 -18.675,-27.9 -18.15,-28.425 -14.825,-28.425 -13.8,-27.4 -13.275,-27.4 -12.925,-27.75 -12.925,-29 -12.375,-29.55 Q11P.1@-12.025,-29.55 ; Q12F.1@-10.65,-59.05 -10.3,-59.05 -9.976,-58.726 ; -9.975,-58.725 -9.829,-58.579 ccw(c-9.9,-58.509) -9.8,-58.509 -9.8,-57.675 -9.4,-57.275 R27P.2@-9.4,-57.25
  L1 w0.2: -23.875,-26.25 -23.325,-26.8 -20.95,-26.8 -20.6,-26.45 R11P.1@-20.6,-26.1 ; U17P.A5@-17.6,-22.5 -17.908,-22.5 -18.025,-22.617 -18.025,-22.775 -17.9,-22.9 U17P.A4@-17.6,-22.9 U17P.B4@-17.2,-22.9 ; Q11P.1@-12.025,-29.55 -10.95,-29.55 -10.75,-29.35 R25P.1@-10.75,-29.325
  L1 w0.3: P10P.B4@-26.1,-26.5 -25.675,-26.5 -25.425,-26.25 P10P.A9@-24.97,-26.25 -23.875,-26.25 ; P10P.B9@-26.1,-23.5 -25.725,-23.5 -25.475,-23.75 P10P.A4@-24.97,-23.75 -23.9,-23.75 -23.875,-23.775 ; -0.575,-60.5 -0.25,-60.825 P12F.14@-0.25,-61.4 ; P12F.13@0.25,-61.4 0.25,-60.825 -0.075,-60.5 0.574,-60.5 0.75,-60.676 P12F.12@0.75,-61.4
  L1 w0.4: -18.025,-22.617 -18.025,-21.825 -18,-21.8 -18,-21.5 C12P.1@-17.8,-21.3
  L1 w0.5: -0.575,-60.5 -0.075,-60.5
  L1 w0.6: J16P.1@-17.85,-20.1 -17.85,-20.175 -17.8,-20.225 C12P.1@-17.8,-21.3 ; C63F.1@-4.4,-59.4 v1(-4.4,-59.538) v1(-4.4,-59.838) -4.4,-59.975 -3.875,-60.5 v1(-1.756,-60.5) v1(-1.456,-60.5) -0.575,-60.5
  L1 w0.8: -23.875,-26.25 -23.875,-23.775 -23.875,-23.25 -23.1,-22.475 C10P.1@-23.1,-21.9 -22.8,-21.6 -22.1,-21.6 D12P.2@-20.7,-20.2 -20.05,-20.2 -19.45,-20.2 J16P.1@-19.35,-20.1
  L2 w0.1: v1(-10.175,-59.025) -9.867,-58.717 cw(c-9.797,-58.788) -9.797,-58.688 -7.653,-58.688 cw(c-7.653,-58.788) -7.583,-58.717 -7.375,-58.925 -4.975,-58.925 v1(-4.675,-59.225)
  L2 w0.3: v1(-1.456,-60.5) v1@-0.8,-60.5
  L7 w0.3: v2(-4.4,-59.688) -3.587,-60.5 v3(-2.446,-60.5) ; v3@-2.4,-60.5 v2(-1.606,-60.5)
  L7 w0.6: v2@-17.975,-20.94 v2(-17.8,-21.115) -17.8,-20.275 v2(-17.975,-20.1) v1(-17.975,-20.25) v2@-17.975,-20.94
  L8 w0.8: v3@-17.997,-19.987 -17.997,-20.953 ; -4.4,-59.6 -4.396,-59.604 -4.396,-60.5 ; v3(-1.604,-60.647) -2.057,-61.1 -11.969,-61.1 cw(c-11.969,-60.3) -12.534,-60.866 -13.266,-60.134 cw(c-12.7,-59.569) -13.5,-59.569 -13.5,-35.731 ccw(c-14.3,-35.731) -13.734,-35.166 -14.8,-34.1 -14.8,-25.1 -17.997,-21.903 -17.997,-20.953 ; -1.55,-60.5 -4.396,-60.5 ; -17.997,-20.953 -14.125,-24.825 -14.125,-33.925 -13.034,-35.016 cw(c-13.6,-35.581) -12.8,-35.581 -12.8,-59.369 ccw(c-12,-59.369) -12.566,-59.934 -12.234,-60.266 ccw(c-11.669,-59.7) -11.669,-60.5 -4.396,-60.5
  other v1: -1.128,-60.487 -0.745,-60.49 -17.95,-21.115 -17.65,-21.115 -17.975,-19.95
  other v3: -2.093,-60.506 -3.646,-60.45 -1.604,-60.347 -3.892,-60.196 -4.577,-59.681 -4.223,-59.687 -17.95,-21.115 -17.65,-21.115 -18.117,-20.647 -17.763,-20.653 -17.975,-20.25 -17.975,-19.95
VBUS_DIV: R27P.1 R28P.1 U11F.C4 | length 13.5
  L1 w0.1: R28P.1@-9.4,-58.65 R27P.1@-9.4,-57.9 ; U11F.C4@0.5,-53.9 0.5,-53.925 0.875,-54.3 v1(0.875,-54.332)
  L2 w0.1: v1(-9.39,-58.242) -9.198,-58.434 ccw(c-9.127,-58.363) -9.127,-58.463 -7.503,-58.463 cw(c-7.503,-58.563) -7.433,-58.492 -7.325,-58.6 -5.875,-58.6 -1.754,-54.479 cw(c-1.684,-54.55) -1.684,-54.45 0.709,-54.45 ccw(c0.709,-54.35) 0.779,-54.421 0.868,-54.332 v1(0.875,-54.332)
VIBE_ON: Q12U.1 R27U.2 U11F.H15 | length 58.3
  L1 w0.1: Q12U.1@-23.57,-17.75 -23.57,-17.17 -23.4,-17 R27U.2@-23.375,-17
  L1 w0.2: v2(-23.575,-17.755) Q12U.1@-23.57,-17.75
  L2 w0.1: v2(-1.8,-18.675) -2.025,-18.9 -2.025,-24.132 -3.3,-25.407 -3.3,-27.232 -4.4,-28.332 -4.4,-31.793 -3.168,-33.025 -1.75,-33.025 0.6,-35.375 1.8,-35.375 3.65,-37.225 3.65,-42.85 4.175,-43.375 4.175,-44.775 v1(4.5,-45.1)
  L7 w0.1: v2(-23.575,-17.755) -22.805,-17.755 -22.605,-17.555 -13.105,-17.555 -11.15,-15.6 -3.571,-15.6 -1.8,-17.371 v2(-1.8,-18.675)
  other v1: -23.575,-17.755